# Allegro board T736_DEMO_CORE_AXP8191_LP4_4X_32X1_V0_5-draft.brd (continued)
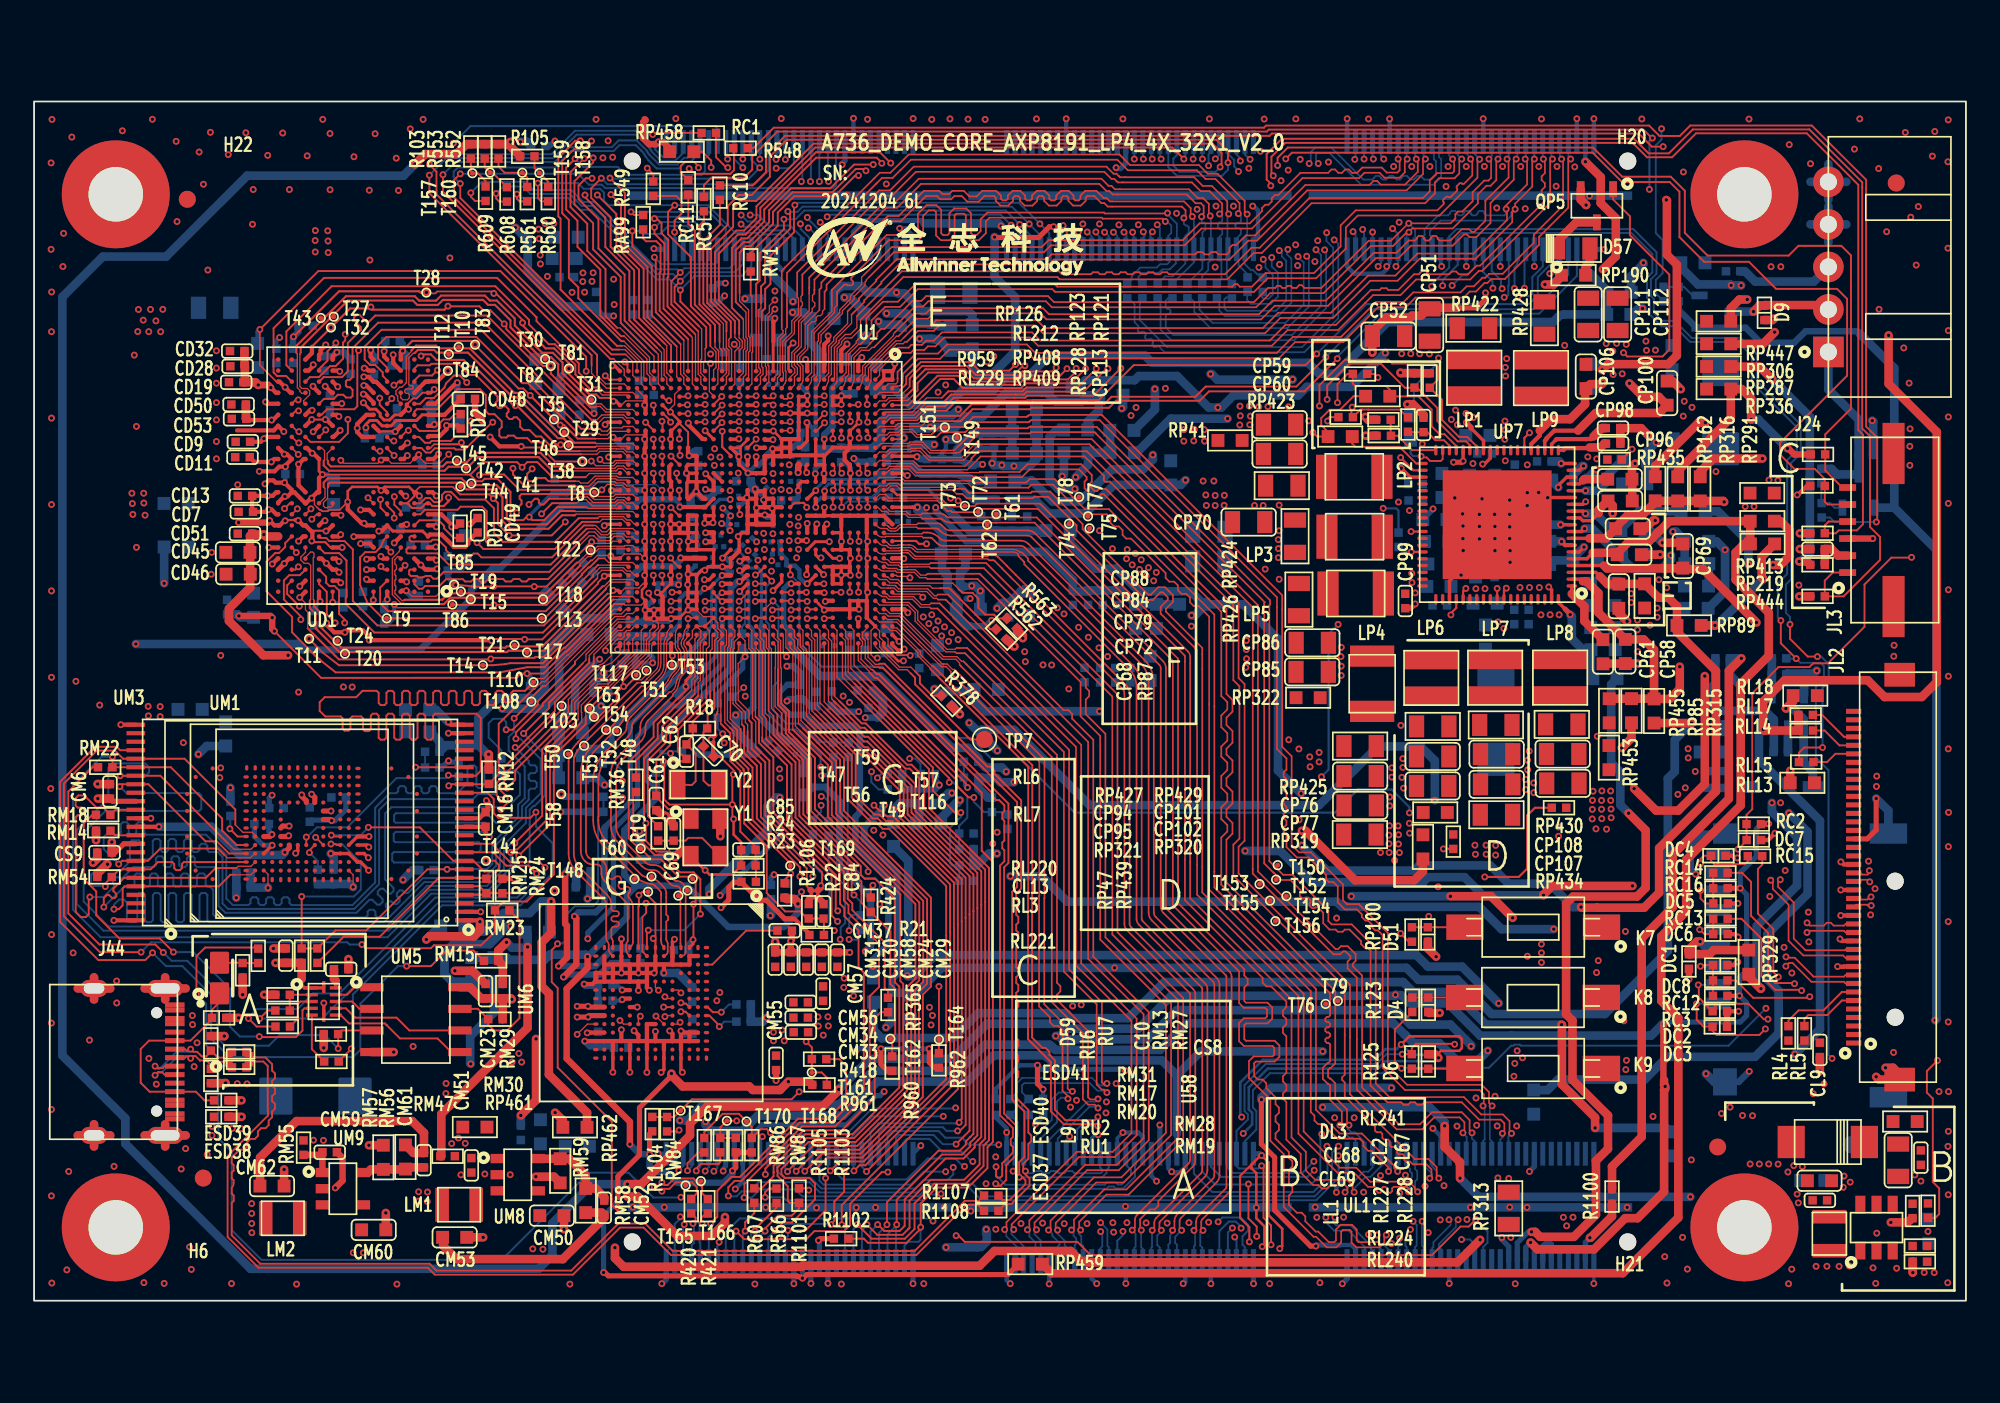
[diagram p0: board, top side]
## Routing (per net, layer and track width the routed paths; a pad name or vN(x,y) marks a point on that pad's centre or on a via; arc(x,y) is an arc through that point) (continued)
CPUS-TMS: length 31.2
  TOP w0.114: v1(42.37,40.1) 42.42,40.15 U1.T30 ; 45.69,13.42 T161.1 ; 45.69,13.42 45.7,13.42 R418.1 45.7,14.9 v1(45.36,15.23) ; 45.69,13.42 46.27,13.42 46.57,13.12 R961.1
  L4 w0.114: v1(42.37,40.1) 42.37,37.03 42.94,36.47 42.94,32.75 44.2,31.48 44.2,27.12 42.88,25.79 42.88,17.71 v1(45.36,15.23)
CPUS-TX: length 44.5
  TOP w0.114: U1.T27 42.4,41.65 v1(42.37,41.62) ; 38.28,6.96 37.71,6.96 37.32,6.57 37.02,6.57 v1(36.89,6.44) ; 38.28,6.96 38.65,6.96 38.94,6.67 38.94,6.31 R420.1 ; 38.28,6.96 T165.1
  L4 w0.076: v1(42.37,41.62) 42.08,41.62 42,41.55 42,39.39 41.44,38.83 41.44,37.47 41.97,36.94 42.04,36.94
  L4 w0.114: 42.04,36.94 42.71,36.26 42.71,32.59 43.29,32.01 43.29,32 43.31,31.98 43.31,26.58 42.65,25.92 42.65,10.76 40.1,8.21 40.08,8.21 40.08,8.21 37.92,8.21 37.47,7.75 37.47,6.98 36.94,6.44 v1(36.89,6.44)
CPUX-RX: length 72.5
  TOP w0.114: R549.1 36.38,66.22 v1(36.03,66.58)
  L4 w0.114: v1(95.61,68.9) 94.57,68.9 94.36,69.11 56.05,69.11 56.03,69.09 52.59,69.09 52.58,69.09 38.53,69.09 36.03,66.59 v1(36.03,66.58)
  BOTTOM w0.114: R145.2 95.73,58.77 95.28,59.22 95.28,60.01 95.68,60.41 95.68,62.36 95.28,62.76 95.28,67.93 95.61,68.26 v1(95.61,68.9)
CPUX-TCK: length 3
  TOP w0.114: R552.1 27.29,66.67 27.65,66.31 T159.1 28.98,66.02 R561.1
CPUX-TDI: length 2.2
  TOP w0.114: R609.1 26.53,65.83 26.07,66.28 T157.1 25.66,66.37 R103.1
CPUX-TDO: length 2.3
  TOP w0.114: R553.1 26.48,66.64 T160.1 26.93,66.32 R608.1
CPUX-TMS: length 2.1
  TOP w0.114: R105.1 29.4,66.58 T158.1 30.21,65.78 R560.1
CPUX-TX: length 91.8
  TOP w0.114: R548.1 42.26,67.76 43.46,68.96 72.26,68.96 72.38,69.09 94.89,69.09 95.5,68.47 96.69,68.47 97.3,69.09 104.44,69.09 107.63,65.9 107.63,65.36 107.63,51.4 108.28,50.75 108.28,45.83 v1(108.24,45.78)
  BOTTOM w0.114: R140.2 105.51,46.04 105.77,45.78 v1(108.24,45.78)
D+: length 8.1
  TOP w0.112: J44.A6 8.87,14.29 8.94,14.36 9.1,14.36 v1(9.2,14.25) 9.33,14.38 9.49,14.38 9.74,14.13 9.75,14.13 9.75,14.12 10.12,14.12 10.39,13.85 ESD37.2 10.8,14.05 11.29,14.05 RU1.2 ; v1(7.11,13.26) 7.3,13.44 7.52,13.44 7.67,13.29 J44.B6
  BOTTOM w0.112: v1(9.2,14.25) 9.06,14.39 8.47,14.39 7.48,13.4 7.25,13.4 v1(7.11,13.26)
D-: length 8
  TOP w0.112: J44.A7 7.67,13.79 7.56,13.68 7.23,13.68 7.12,13.79 v1(7.11,13.79) ; J44.B7 8.87,14.79 8.96,14.7 9.12,14.7 v1(9.2,14.79) 9.35,14.63 9.58,14.63 9.85,14.36 10.12,14.36 10.39,14.63 ESD40.2 10.8,14.29 11.28,14.29 RU2.2
  BOTTOM w0.112: v1(9.2,14.79) 9.05,14.63 8.37,14.63 7.38,13.64 7.26,13.64 v1(7.11,13.79)
DC1: length 2.1
  TOP w0.203: 84.42,51.29 85.16,50.56 UP7.31
  TOP w0.305: 84.42,51.29 84.42,51.35 v1(84.15,51.63)
  BOTTOM w0.305: 84.18,51.64 84.17,51.63 v1(84.15,51.63)
  vias: v1(84.13,52.16) v1(84.56,51.92) v1(86.44,54.87) v1(86.52,55.38) v1(86.45,54.36)
DC8SET: length 3.9
  TOP w0.114: RP408.1 79.7,50.87 RP409.1 80.11,50.85 80.96,50 UP7.38
DCDC1: length 13.8
  TOP w0.508: v1(101.46,18.35) 101.43,18.35 100.74,19.04 RP329.1
  BOTTOM w0.508: v1(101.46,18.35) 101.46,18.37 101.21,18.62 101.21,22.04 103.57,24.4 103.57,27.27 102.1,28.74 v1(102.1,29.27)
  vias: v1(10.91,30.75) v1(10.96,31.32) v1(28.09,14.03) v1(28.49,14.54) v1(28.65,14.03) v1(52.61,17.25) v1(52.78,16.77) v1(58.2,38.15) v1(58.24,37.57) v1(60.12,40.73) v1(60.51,40.38) v1(61.02,17.33) v1(61.52,17.4) v1(68.68,48.19) v1(69.31,48.19) v1(80.35,55.67) v1(80.88,55.67) v1(81.41,55.67) v1(81.98,55.66) v1(96.58,29.77) v1(97.01,30.15) v1(100.53,46.69) v1(101.05,46.69) v1(102.61,29.27)
DCDC2: length 113.7
  TOP w0.508: RP47.1 81.6,25.23 81.09,24.72 77.6,24.72 74.7,27.63 v1(74.49,27.63)
  L3 w0.508: v1(54.4,29.43) 54.51,29.43 54.95,28.98 57.33,28.98 73.62,28.98 v1(74.32,28.28)
  L4 w0.508: v1(27.51,34.81) 15.45,34.81 9.85,40.4 9.85,57.24 16.14,63.53 26.52,63.53 27.61,62.43 v1(29.67,62.43) ; v1(65.73,49.72) 65.98,49.47 70.25,49.47 70.29,49.51
  BOTTOM w0.508: RP48.1 30.85,37.62 30.85,35.75 29.91,34.81 v1(27.51,34.81) ; RP456.1 58.59,48.2 58.61,48.22 59.84,46.99 61.45,46.99 63.33,48.87 65.15,48.87 65.73,49.46 v1(65.73,49.72) ; RP54.1 53.27,28.35 54.2,29.28 54.26,29.28 v1(54.4,29.43)
  vias: v1(29.64,62.99) v1(30.03,63.32) v1(30.53,63.33) v1(70.84,51.48) v1(70.85,52.59) v1(70.87,52.02) v1(71.22,38.81) v1(71.22,38.28) v1(71.23,37.74) v1(71.19,37.24) v1(71.41,52.59) v1(71.42,51.5) v1(71.46,52) v1(71.95,52.55) v1(72.49,52.56)
DCDC3:
  vias: v1(71.7,46.75) v1(72.21,46.75) v1(73.14,45.26) v1(73.1,44.74) v1(73.1,44.22) v1(73.1,43.68) v1(73.15,46.77)
DCDC5FB: length 1.5
  TOP w0.127: UP7.52 v1(80.91,44.02)
  BOTTOM w0.127: v1(80.91,44.02) 80.45,44.02 RP438.2
DCDC6FB: length 20.8
  TOP w0.127: v1(84.12,41.88) 83.96,41.71 UP7.62 ; RP439.2 v1(82.8,26.56)
  L4 w0.127: v1(82.8,26.56) 82.8,28.69 83.19,29.09 83.19,31.71 80.23,34.67 80.23,38.45 80.5,38.72 82.62,38.72 84.12,40.22 v1(84.12,41.88)
DCDC8:
  vias: v1(5.75,47.47) v1(5.78,46.86) v1(5.8,46.23) v1(6.13,58.27) v1(6.09,56.97) v1(6.41,57.65) v1(6.44,47.47) v1(6.45,46.89) v1(6.52,46.18) v1(6.74,56.97) v1(6.7,34.94) v1(6.71,34.38) v1(6.84,58.28) v1(7.16,57.61) v1(7.44,56.97) v1(7.41,34.93) v1(7.41,34.34) v1(7.56,58.28) v1(91.55,28.89) v1(91.54,28.32) v1(91.59,29.95) v1(91.56,29.42) v1(91.76,27.74) v1(92.11,29.97) v1(92.09,29.41) v1(92.09,28.89) v1(92.1,28.34) v1(92.38,27.73) v1(92.62,29.97) v1(92.63,29.41) v1(92.65,28.9) v1(92.66,28.39)
DCDC8FB: length 27.6
  TOP w0.127: v1(85.23,24.91) 87.23,24.91 87.72,25.4 87.72,28.52 88.18,28.98 RP434.2 ; UP7.68 86.36,41.75 v1(86.49,41.89)
  L4 w0.127: v1(86.49,41.89) 86.51,41.87 86.51,41.69 83.96,39.14 83.96,32.68 84.58,32.06 84.58,28.38 84.12,27.91 84.12,25.21 84.41,24.91 v1(85.23,24.91)
DCDC9:
  vias: v1(94.7,56.41) v1(94.73,55.87) v1(95.26,55.88)
DCDC9FB: length 8.4
  TOP w0.127: v1(93.88,50.06) 93.88,50.05 RP435.2 ; UP7.25 87.56,50.72 v1(87.86,51.02)
  L4 w0.127: v1(93.88,50.06) 92.92,51.02 v1(87.86,51.02)
DCIN:
  vias: v1(24.21,12.77) v1(24.2,12.18) v1(86.99,13.95) v1(87.13,14.69) v1(87.45,14.28) v1(88.53,40.32) v1(89.07,40.33) v1(89.6,40.32) v1(89.55,27.85) v1(89.57,27.3) v1(103.04,7.57) v1(103.38,7.94) v1(103.89,7.88)
DCIN-12V: length 37.4
  TOP w0.508: v1(100.31,37.77) 99.57,37.03 99.57,29.51 96.28,26.22 96.28,23.14 94.45,21.31 94.45,9.63 92.71,7.89 R1100.2
  BOTTOM w0.508: v1(100.31,37.77) RL8.1 CL10.2 99.63,36.78 100.26,36.16 QL1.2
DCXO-XIN: length 12.8
  TOP w0.076: 39.22,35.65 39.22,36.17 39.31,36.26 39.31,38.53 U1.AC33
  TOP w0.114: Y1.1 38,28.91 37.26,28.91 36.56,29.61 C61.1 36.56,31.86 37.37,32.67 37.37,33.42 39.22,35.27 39.22,35.47 39.22,35.65
DCXO-XOUT: length 12.9
  TOP w0.076: 39.01,35.56 39.01,35.59 39.02,35.6 39.02,36.33 39.14,36.46 39.14,38.73 39.42,39.01 U1.AC32
  TOP w0.114: R19.1 36.06,28.5 36.06,31.76 37.14,32.84 37.14,33.68 39.01,35.55 39.01,35.56
DDR-PARA-SEL-ADC1: length 16
  TOP w0.076: U1.G31 47.67,39.4 47.67,39.04 47.83,38.89 47.83,36.98 48.22,36.59
  TOP w0.114: v1(55.21,29.58) 55.2,29.59 54.9,29.59 54.24,30.26 54.24,30.57 48.22,36.59
  BOTTOM w0.114: R1.1 57.04,28.73 R6.2 55.81,28.73 55.21,29.33 v1(55.21,29.58)
DDR-PARA-SEL-ADC2: length 16
  TOP w0.076: 48.2,36.28 47.67,36.81 47.67,38.8 47.42,39.05 U1.G32
  TOP w0.114: 48.2,36.28 53.77,30.71 v1(53.77,30.47)
  BOTTOM w0.114: v1(53.77,30.47) 54.01,30.47 54.83,29.65 54.83,28.39 54.35,27.92 R2.2 R7.1
DLDO1: length 1.4
  TOP w0.254: UP7.7 89.95,44.42 v1(89.74,44.63)
  BOTTOM w0.508: CP78.1 89.72,44.65 v1(89.74,44.63)
DLDO2: length 118.7
  TOP w0.203: UP7.8 91.38,44.82
  TOP w0.508: v1(86.87,22.51) 85.6,23.78 v1(83.21,23.78) ; v1(99.3,46.96) 99.24,47.02 RP291.1 RP316.1 96.56,47.02 RP162.1 95.24,46.94 94.49,46.19 93.64,46.19 92.92,45.47 CP79.1 92.35,44.82 91.38,44.82
  L3 w0.508: v1(99.3,46.96) 99.57,47.23 99.57,56 v1(94.55,61.02)
  L4 w0.508: v1(61.15,47.73) 61.17,47.7 63.27,47.7 68,42.97 v1(68,40.29) ; v1(86.87,22.51) 87.54,22.51 88.21,23.18 88.47,23.18 88.52,23.23 89.07,23.23 94.56,28.73 94.56,30.8 95.21,31.45 95.21,38.19 97.53,40.51 97.53,43.71 99.3,45.48 v1(99.3,46.96) ; v1(77.39,23.78) 75.39,25.77 75.39,28.86 v1(74.44,29.82)
  BOTTOM w0.508: RP75.1 93.82,60.22 94.55,60.95 v1(94.55,61.02) ; RP114.1 60.07,51.19 59.67,50.79 59.67,48.23 60.17,47.73 v1(61.15,47.73) ; v1(83.21,23.78) v1(77.39,23.78) ; RP69.1 67.95,41.7 64.91,41.7 63.57,43.03 62.38,43.03 60.87,44.55 RP451.1 ; RP69.1 71.04,40.94 73.08,38.9 73.08,31.17 v1(74.44,29.82) ; RP69.1 68.72,40.8 68.21,40.29 v1(68,40.29)
DLDO3: length 153.1
  TOP w0.203: v1(91.09,45.39) 90.92,45.22 UP7.9
  L3 w0.508: v1(69.55,52.51) 65.84,56.22 57.46,56.22 56.84,56.84 54.63,56.84 52.21,59.27 v1(50.66,59.27) ; v1(96.89,52) 95.97,52.92 95.97,56.87 94.51,58.34 v1(94.5,58.34) 94.44,58.27 86.14,58.27 86.13,58.28 80.94,58.28 79.38,56.72 v1(79.38,55.72)
  L4 w0.508: v1(96.89,52) 97.38,51.51 97.38,49.86 ; 97.38,49.86 98.72,49.86 101.89,46.69 101.89,44.66 102.9,43.65 102.9,41.48 101.96,40.54 101.96,37.93 100.11,36.07 100.11,29.56 101.01,28.66 v1(103.1,28.66) ; 97.38,49.86 97.38,45.03 v1(96.17,43.82)
  BOTTOM w0.508: v1(79.38,55.72) 79.18,55.52 79.18,55.51 78.85,55.19 78.85,55.19 77.39,53.72 74.78,53.72 74.28,53.22 70.47,53.22 69.76,52.51 v1(69.55,52.51) 69.01,52.51 67.16,54.36 64.91,54.36 64.66,54.12 61.78,54.12 61.38,53.72 RP343.1 ; v1(96.17,43.82) 96.17,43.58 95.66,43.07 93.87,43.07 93.27,43.67 CP80.1 93.07,43.87 91.54,45.39 v1(91.09,45.39) ; RP340.1 46.99,57.76 46.99,59.24 47.35,59.6 47.37,59.6 47.42,59.65 48.59,59.65 48.97,59.27 v1(50.66,59.27) 50.69,59.27 50.74,59.22 51.14,59.22 52.19,58.18 54.9,58.18 55.12,57.95 RP344.1 ; v1(103.1,28.66) 104.19,27.57 104.19,23.91 101.83,21.55 101.83,18.88 102.49,18.22 102.49,15.73 101.11,14.34 95.96,14.34 94.62,13 89.54,13 88.92,12.38 RP460.1 ; v1(94.5,58.34) 94.27,58.34 93.92,57.98 RP341.1
DLDO4: length 1.5
  TOP w0.203: UP7.10 v1(89.68,45.62)
  BOTTOM w0.508: CP81.1 89.05,45.62 v1(89.68,45.62)
DLDO5: length 117.3
  TOP w0.203: 91.92,46.3 91.48,45.86 90.99,45.86 90.83,46.02 UP7.11
  TOP w0.508: 91.92,46.3 91.92,46.51 92.43,47.01 CP84.1 92.74,46.75 v1(92.74,46.28)
  L3 w0.508: v1(92.74,46.28) 93.81,45.22 v1(96.29,45.22)
  L4 w0.508: v1(37.94,10.6) 37.94,10.7 36.81,11.83 27.75,11.83 v1(25.65,13.92) ; v1(85.41,14.7) 85.41,23.16 87.39,25.14 87.39,27.4 87.4,27.41 87.4,27.46 91.5,31.56 93.41,31.56 93.97,32.12 93.97,35.17 93.01,36.13 93.01,38.76 93.01,38.77 93.01,38.86 92.41,39.45 92.41,45.94 v1(92.74,46.28)
  BOTTOM w0.508: RP36.1 27.02,16.94 25.62,15.54 25.62,13.96 v1(25.65,13.92) ; v1(37.94,10.6) 38.38,10.6 39.3,11.52 47.3,11.52 49.29,13.52 54.33,13.52 55.87,15.05 59.66,15.05 59.77,14.94 59.8,14.94 59.99,14.75 66.14,14.75 67.7,16.31 79.86,16.31 80.54,15.62 80.55,15.62 81.04,15.14 82.56,15.14 83.55,14.15 84.86,14.15 v1(85.41,14.7) ; v1(96.29,45.22) 96.47,45.22 96.97,44.71 RP139.1 96.97,43.33 RP217.1
DLDO6: length 7.5
  TOP w0.203: v1(91.15,46.27) 91,46.42 UP7.12
  BOTTOM w0.508: v1(91.15,46.27) 91.74,46.27 92.76,45.25 CP87.1 93.22,45.35 94.3,46.43 95.48,46.43 95.51,46.41 RP312.1
DLDO-IN: length 0.9
  TOP w0.203: v1(91.16,46.98) 91,46.82 UP7.13
  vias: v1(101.93,48.25) v1(102.45,48.23)
DP-REXT: length 14.4
  TOP w0.114: v1(48.47,42.66) 48.46,42.67 48.46,42.7 48.42,42.73 U1.E24
  L4 w0.114: v1(48.47,42.66) 48.47,42.66 49.26,42.66 50.08,41.83 50.08,41.45 49.98,41.35 49.98,39.83 50.47,39.34 50.47,37.5 51.44,36.53 v1(51.44,31.87)
  BOTTOM w0.114: v1(51.44,31.87) 51.77,31.87 52.08,31.56 R376.2
DXLDO-OUT: length 32.4
  TOP w0.254: v1(40.42,41.62) 40.9,41.62 U1.Y27
  TOP w0.381: v1(31.75,22.6) 31.86,22.48 31.86,19.78 v1(31.11,19.03)
  BOTTOM w0.178: 40.06,37.87 40.06,41.27 40.19,41.4 40.19,41.44 40.37,41.62 v1(40.42,41.62)
  BOTTOM w0.254: C41.1 40.06,37.87
  BOTTOM w0.305: C41.1 39.28,37.29 38.45,37.29 35.03,33.87 35.03,29.38 34.98,29.33 34.98,29.3 33.58,27.9 33.58,27.86
  BOTTOM w0.381: v1(31.75,22.6) 31.98,22.83 33,22.83 33.51,23.35 33.51,27.79 33.58,27.86 ; RM37.2 33.91,19.85 33.24,19.18 32.96,19.18 32.95,19.18 31.33,19.18 31.18,19.03 v1(31.11,19.03)
ELDO1: length 139.5
  TOP w0.203: v1(89.55,47.82) 89.55,47.93 90.04,48.42 UP7.17
  L3 w0.508: v1(9.66,32.12) 11.69,32.12 13.24,30.57 13.24,29.34 13.75,28.83 16.57,28.83 17.18,29.44 18.86,29.44 20.67,27.63 20.67,24.69 23.07,22.29 25.28,22.29 29.71,17.87 33.04,17.87 33.51,17.4 33.51,15.76 34.02,15.26 40.8,15.26 42.9,17.36 48.64,17.36 49.17,17.89 59.92,17.89 60.18,18.15 61.84,18.15 63.09,16.9 81.17,16.9 81.7,16.36 82.95,16.36 87.52,20.93 87.52,28.16 87.08,28.61 87.08,30.88 87.41,31.21 v1(87.75,31.21)
  L4 w0.508: v1(87.75,31.21) 88.08,31.21 91.76,34.89 91.76,38.34 91.17,38.93 91.17,38.96 90.94,39.18 90.94,41.99 90.38,42.55 90.38,46.98 v1(89.55,47.82) ; v1(7.64,42.18) 7.64,39.68 9.66,37.67 v1(9.66,32.12)
  BOTTOM w0.508: v1(89.55,47.82) 89.29,48.08 CP90.1 ; v1(9.66,32.12) 10.14,32.61 RP445.1 ; RP448.1 v1(7.64,42.18)
ELDO2: length 1.8
  TOP w0.203: UP7.18 90.78,48.82 v1(91.03,49.07)
  BOTTOM w0.508: v1(91.03,49.07) 90.95,49.07 90.44,48.56 CP92.1
ELDO3: length 1.2
  TOP w0.203: v1(89.71,49.22) UP7.19
  BOTTOM w0.508: CP93.1 89.59,49.34 v1(89.71,49.22)
ELDO4: length 2.9
  TOP w0.203: UP7.20 89.86,50
  TOP w0.254: 89.86,50 89.98,50.13 91.36,50.13 91.4,50.16
  TOP w0.508: CP96.1 92.26,50.39 92.04,50.16 91.4,50.16
ELDO5: length 3.9
  TOP w0.203: 89.4,50.6 89.16,50.36 UP7.21
  TOP w0.254: 91.62,50.81 91.47,50.66 91.19,50.66 91.19,50.65 89.45,50.65 89.4,50.6
  TOP w0.508: 91.62,50.81 92.11,51.3 CP98.1
ELDO6: length 113.9
  TOP w0.203: 88.76,50.55 UP7.22
  TOP w0.254: 88.76,50.55 88.86,50.65 88.86,50.69 89.32,51.15 90.71,51.15
  TOP w0.508: 90.71,51.15 91.75,52.19 95.49,52.19 CP100.1 95.45,53.14 94.52,53.14 v1(93.73,53.93)
  L4 w0.381: v1(48.84,20.54) 49.87,20.54 v1(51.3,19.1)
  L4 w0.508: v1(86.05,17.49) 86.09,17.53 86.09,22.83 88.08,24.81 88.08,27.23 91.74,30.9 93.67,30.9 94.59,31.81 94.59,35.87 93.66,36.8 93.66,39.05 93.63,39.08 93.63,39.11 93.03,39.71 93.03,42.99 93.37,43.33 93.37,47.67 94.65,48.95 94.65,50.2 93.73,51.12 v1(93.73,53.93)
  BOTTOM w0.406: v1(48.84,20.54) 49.15,20.86 49.15,23.71 47.32,25.55 47.32,29.36 46.48,30.2 45.76,30.2 RP33.1
  BOTTOM w0.508: 51.36,19.08 51.7,19.08 52.93,20.32 81.21,20.32 81.89,19.64 83.89,19.64 v1(86.05,17.49) ; 51.36,19.08 51.33,19.08 v1(51.3,19.1) ; 51.36,19.08 51.36,25.85 RP35.1
ELDO-IN: length 2.2
  TOP w0.203: 91,48.23 90.79,48.02 UP7.16
  TOP w0.508: CP88.1 91.07,48.3 91,48.23
  vias: v1(91.28,49.61) v1(91.81,49.49) v1(92.77,54.45) v1(93.31,54.49)
FB-GND2: length 1656.2
  TOP w0.076: U1.AN17 34.35,46.58 32.54,46.58 32.45,46.66 32.33,46.66 ; UD1.N2 22.09,49.23 20.99,49.23 UD1.N4 ; U1.AK26 35.77,42.15 35.67,42.05 35.67,42.04 35.53,41.9 35.52,41.9 34.72,41.9 34.47,41.65 U1.AN27 ; 24.12,41.91 23.61,41.41 22.2,41.41 v1(21.87,41.74) ; U1.B33 49.92,38.75 49.67,39 49.67,39.38 49.42,39.63 U1.C31 49.17,39.4 49.17,37.98 49.37,37.78 v1(49.54,37.78) ; v1(52.22,41.36) 52.03,41.54 50.53,41.54 U1.A27 ; v1(32.76,44.61) 32.76,44.61 32.85,44.52 33.88,44.52 34,44.65 U1.AN21 ; 39.5,35.88 39.5,38.31 39.67,38.48 39.67,39.4 U1.AC31 ; U1.W31 U1.W32 ; U1.W32 41.77,38.8 v1(41.77,37.86) 41.37,37.45 41.37,35.3 42,34.67 42,34.13 ; U1.W32 41.42,39.01 41.13,38.72 41.13,38.36 41.06,38.29 41.06,35.1 41.59,34.58 41.59,33.88 ; v1(18.74,24.32) 18.74,25.04 UM1.Y2 ; v1(51.46,42.5) 51.38,42.58 50.71,42.58 50.65,42.65 U1.A25 ; v1(34.02,41.76) 33.83,41.57 33.71,41.57 ; v1(44.21,37.86) 44.02,38.05 44.02,39.06 U1.P32 ; v1(39.74,55.1) 39.67,55.04 39.67,53.45 39.92,53.2 U1.AB4 ; v1(35.87,50.65) 35.87,50.81 35.78,50.9 34.76,50.9 34.51,50.65 U1.AN9 ; v1(34.02,50.76) 33.8,50.76 33.72,50.68 32.97,50.68 ; U1.AM33 34.92,38.09 33.85,37.01 33.64,37.01 33.6,36.97 33.56,36.97 33.5,36.9 v1(33.45,36.9) ; 40.14,34.61 40.17,34.64 40.17,36.28 40.17,36.28 40.17,38.76 40.42,39.01 U1.AA32 40.42,39.27 40.17,39.52 40.17,39.85 39.92,40.1 U1.AB30 39.85,40.22 39.32,40.22 38.92,40.61 U1.AD29 ; 16.64,46.63 16.47,46.8 16.47,47.03 v1(16.31,47.18) ; 35.76,37.6 35.77,37.6 36.13,37.96 36.13,38.57 36.14,38.58 36.14,38.75 36.42,39.03 U1.AJ32 36.42,39.3 36.67,39.55 36.67,39.85 v1(36.42,40.1) ; v1(33.88,43.78) 33.85,43.82 33.08,43.82 32.79,43.53 32.72,43.53 ; v1(22.6,49.74) 22.6,49.62 22.99,49.23 23.83,49.23 v1(24.36,49.76) ; U1.AF3 37.92,53.58 37.63,53.29 37.63,52.69 37.38,52.44 v1(37.38,52.24) ; U1.AN32 34.28,39.15 33.56,38.42 33.56,38.23 v1(33.57,38.22) ; v1(15.61,41.34) 15.94,41.01 15.94,40.63 16.08,40.49 16.08,39.53 ; 32.41,48.42 32.62,48.63 34.41,48.63 U1.AN13 ; T86.1 24.39,40.74 21.35,40.74 21.17,40.93 v1(21.17,40.93) ; U1.AN23 34.43,43.65 34.68,43.9 35.62,43.9 v1(35.87,43.65) ; 34.66,40.96 34.72,40.9 35.67,40.9 U1.AK28 ; 38.82,35.68 38.82,36.43 38.99,36.6 38.99,38.81 39.17,38.99 39.17,39.4 U1.AD31 38.67,39.4 38.67,38.99 38.42,38.74 U1.AE33 ; T51.1 35.98,36.8 35.68,36.5 35.18,36.5 35.17,36.5 ; U1.AL3 35.42,53.58 35.86,53.15 U1.AK4 ; U1.AN5 34.51,52.65 34.76,52.9 35.79,52.9 35.87,52.82 v1(35.87,52.65) ; v1(18.02,49.4) 18.2,49.23 20.2,49.23 v1(20.39,49.42)
  TOP w0.102: 37.22,29.27 37.21,29.28 37.21,29.28 37.11,29.37 37.11,29.38 37.02,29.47 ; UD1.P1 23.28,50.13 23.5,50.35 23.94,50.35 ; 24.75,47.69 24.6,47.85 22.66,47.85 UD1.K2 ; v1(27.01,59.22) 26.9,59.33 23.69,59.33 23.58,59.22 23.09,59.22 T28.1 ; v1(13.27,57.1) 13.27,55 14.24,54.03 UD1.Y12 ; v1(16.94,48.57) 25.46,48.57 ; v1(18.43,46.96) 17.96,46.5 17.35,46.5 17.27,46.42 16.93,46.42 16.85,46.49 16.78,46.49 16.64,46.63
  TOP w0.114: 40.14,34.61 40.14,34.52 40.03,34.41 40.03,33.26 ; v1(41.03,29.17) 41.03,30.88 v1(41.09,30.94) 41.13,30.99 41.13,31.15 40.29,32 C70.2 ; v1(41.03,29.17) 37.32,29.17 37.22,29.27 ; v1(41.03,29.17) 41.03,28.39 v1(41.1,28.32) ; v1(25.91,56.2) 25.91,56.18 28.46,53.63 28.74,53.63 v1(29.15,53.22) ; 39.5,35.88 39.5,35.22 37.82,33.55 37.82,32.28 C62.2 38.07,31.71 v1(36.97,31.71) 37.02,31.66 37.02,29.47 ; 32.97,50.68 31.94,50.68 31.14,51.48 v1(30.91,51.48) ; v1(38.72,21.22) 38.74,21.25 v1(38.74,23.32) 38.74,23.37 38.87,23.5 38.87,24.63 T57.1 38.56,24.93 37.85,24.93 36.84,25.95 36.28,25.95 T60.1 35.54,26.58 34.93,27.19 34.93,29.42 34.93,29.42 34.93,31.68 36.4,33.14 36.4,34 38.3,35.89 v1(38.3,36.1) ; v1(33.5,42.6) 33.13,42.22 33.13,42.15 29.86,38.88 v1(28.82,38.88) 28.8,38.9 26.97,38.9 v1(26.88,38.81) ; 32.72,43.53 30.1,40.9 v1(27.02,40.9) 24.6,40.9 T86.1 ; v1(32.9,52.15) 32.71,52.15 30.36,54.5 v1(30.36,54.95) 29.91,54.95 29.51,55.35 29.51,55.36 27.74,57.12 27.74,57.3 v1(27.62,57.42) 26.81,58.24 26.39,58.24 26.16,58.46 24.48,58.46 24.47,58.47 v1(24.31,58.47) ; 32.33,46.66 30.74,46.66 29.98,45.89 29.26,45.89 v1(29.09,46.07) 29.06,46.09 28.95,46.09 28.75,45.89 28.14,45.89 27.99,46.04 27.99,47.55 27.22,48.32 26.47,48.32 26.32,48.17 26,48.17 25.63,48.55 25.62,48.55 ; 32.41,48.42 30.45,48.42 29.56,49.3 28.98,49.3 v1(28.68,49) 28.37,49.3 26.37,49.3 25.62,48.55 ; v1(36.38,21.3) 36.51,21.43 36.51,23.37 36.07,23.8 T56.1 35.74,24.04 v1(35.54,23.84) 35.54,23.21 35.51,23.18 UM6.J1 ; 42,34.13 42.16,33.97 42.16,32.45 42.96,31.65 42.96,28.52 46.3,25.19 46.3,24.47 v1(46.22,24.4) ; U1.AE10 38.42,51.06 37.92,51.56 U1.AF7 ; v1(14.12,39.37) 16.87,36.62 19.8,36.62 28.33,36.62 28.58,36.87 v1(28.96,36.87) 29.94,36.87 31.23,38.16 31.29,38.16 34.09,40.96 34.66,40.96 ; U1.AM1 34.86,54.71 34.86,55.04 34.83,55.07 ; v1(32.44,54.64) 32.44,55.49 27.4,60.53 16.7,60.53 v1(13.27,57.1) ; 38.82,35.68 36.89,33.74 36.89,32.93 35.84,31.88 35.84,28.3 35.87,28.26 35.87,28.15 v1(35.95,28.07) 35.95,27.03 36.56,26.41 37.34,26.41 v1(37.66,26.08) ; v1(31.21,45.78) 30.42,44.99 v1(27.91,44.99) 27.25,45.65 27.25,46.89 v1(26.98,47.16) 26.74,47.41 25.04,47.41 24.75,47.69 ; T54.1 32.64,34.58 T63.1 32.64,34.83 33.5,35.69 34.17,35.69 34.23,35.75 ; 25.62,48.55 25.6,48.57 25.46,48.57 ; 33.64,34.8 34.23,35.39 34.23,35.75 ; 17.71,37.9 17.91,37.7 26.81,37.7 v1(26.83,37.73) 26.9,37.79 29.4,37.79 29.45,37.85 29.95,37.85 30.95,38.85 30.97,38.85 33.69,41.57 33.71,41.57 ; 34.65,36.13 34.59,36.18 34.59,36.44 35.76,37.6 ; 34.65,36.13 34.65,36.12 v1(34.63,36.11) 34.6,36.07 34.55,36.07 34.23,35.75 ; 34.65,36.13 34.8,36.13 35.17,36.5 ; v1(27.01,59.22) 27.06,59.22 27.07,59.22 27.14,59.22 28.7,57.65 v1(28.7,57.49) ; 24.12,41.91 24.21,42.01 T85.1 25.68,42.01 25.71,41.98 26.99,41.98 v1(27,42) 29.37,42 v1(29.39,41.98) 30.11,41.98 32.47,44.35 32.47,44.37 32.71,44.62 32.73,44.62 32.74,44.61 32.76,44.61 v1(32.76,44.61) ; U1.AN2 33.79,54.15 v1(33.56,54.37) ; v1(51.11,50.71) 51.11,50.71 51.06,50.71 51,50.65 U1.A9 ; 45.62,24.15 45.4,24.37 45.4,25.42 42.46,28.35 42.46,31.45 41.72,32.2 41.72,33.75 41.59,33.88 ; v1(28.62,50.23) 28.69,50.16 29.79,50.16 30.61,49.34 v1(32.21,49.34) ; v1(34.04,52.88) 33.84,53.07 33.23,53.07 33.02,53.28 32.63,53.28 ; v1(37.5,37.91) 37.47,37.88 T53.1 ; U1.AB30 U1.AC31 U1.AD31
  TOP w0.127: 19.79,58.33 18.57,58.33 v1(17.44,57.21) 16.32,56.09 16.32,56.07 ; 19.79,58.33 19.86,58.26 24.11,58.26 24.31,58.46 v1(24.31,58.47) ; 19.79,58.33 v1(19.79,58.42) ; v1(28.7,57.49) 28.7,57.34 30.06,55.99 30.56,55.99 31.43,55.12 v1(31.43,54.8) 31.43,54.48 32.63,53.28 ; v1(71.4,3.46) 71.4,4.33 70.85,4.87 70.85,7.34 71.52,8 ; v1(17.11,51.8) v1(16.31,51.8) ; 21.92,46.88 22.34,47.3 UD1.K2 ; 21.92,46.88 21.93,46.88 22.2,46.61 22.76,46.61 23.03,46.88 UD1.J1 23.24,46.88 23.4,46.72 24.07,46.72 24.35,47 v1(24.35,47.22) ; 21.92,46.88 UD1.J3 ; v1(30.91,51.48) 30.89,51.48 T35.1 v1(29.15,53.22) ; v1(16.32,44.66) 16.38,44.6 17.11,44.6 17.42,44.28 UD1.E8 ; v1(36.38,21.3) 36.51,21.17 UM6.G1 UM6.G2 ; v1(52.43,44.49) 51.99,44.49 51.82,44.67 50.44,44.67 U1.A21 ; T28.1 23.04,59.28 22.69,59.28 22.63,59.34 17.92,59.34 15.56,56.98 15.56,56.98 v1(15.24,56.67) ; v1(17.15,45.25) 17.14,45.27 16.26,45.27 ; 17.71,37.9 16.08,39.53 ; v1(22.74,55.54) 22.78,55.54 22.87,55.63 23.31,55.63 23.64,55.31 25.24,55.31 25.61,54.93 25.87,54.93 28.19,52.62 v1(28.27,52.62) 28.38,52.62 30.67,50.32 v1(30.94,50.32) ; v1(40.42,41.11) 40.4,41.11 39.92,41.59 U1.AB27 ; 20.27,51.1 21.21,51.1 v1(21.22,51.09) ; T54.1 32.94,34.28 33.12,34.28 33.64,34.8 ; 15.35,45.9 14.75,45.9 ; v1(25.91,56.2) 25.69,56.42 22.22,56.42 21.63,55.84 ; 23.94,50.35 25.01,50.35 v1(25.11,50.45)
  TOP w0.152: U1.V9 41.92,50.62 41.51,50.2 41.51,50.15 ; U1.AG26 37.4,42.15 36.9,41.65 36.67,41.65 ; v1(43.43,51.13) 43.44,51.13 U1.P9 ; v1(41.95,48.66) 41.45,49.15 U1.W12 ; 41.51,50.15 41.51,49.72 v1(41.41,49.62) ; 41.51,50.15 U1.Y10 ; 46.47,40.65 46.42,40.65 46.34,40.73 46.33,40.73 46.1,40.95 46.1,40.97 U1.K28 ; U1.B33 49.92,38.45 50.77,37.6 51.05,37.6 51.07,37.62 v1(51.08,37.62) ; U1.F8 47.96,51.15 48.29,51.47 48.29,51.47 v1(48.47,51.65) ; 16.74,48.77 v1(16.94,48.57) ; U1.AF30 38.38,40.61 v1(38.42,40.61) ; v1(80.32,15.07) 80.8,15.54 83.73,15.54 83.88,15.39 83.88,14.85 83.73,14.69 82.66,14.69 82.51,14.54 v1(82.51,14.28) ; v1(18.43,46.96) 18.43,47.59 18.69,47.85 20.18,47.85 v1(20.39,47.64) 20.6,47.85 22.03,47.85 UD1.K2 ; U1.N1 44.33,54.75 44.33,56.03 v1(44.59,56.3) ; U1.AK26 35.92,41.99 35.72,41.79 35.72,41.36 U1.AK28 ; v1(53.85,47.18) 53.83,47.19 53.83,47.22 53.68,47.37 50.7,47.37 U1.A15 ; v1(72.16,3.18) 72.28,3.3 72.28,4.38 71.81,4.85 v1(71.81,5.47) 71.81,7.5 71.52,7.79 71.52,8 72.06,8.54 v1(72.12,8.54) 72.53,8.13 72.53,5.03 73.33,4.23 73.33,3.21 v1(73.19,3.06) ; v1(41.1,28.32) 41.1,27.41 41.54,26.96 C85.2 41.54,25.58 R24.2 41.02,25.06 39.68,25.06 v1(39.43,25.31) 39.4,25.31 Y1.2 ; U1.AG8 37.45,51.15 37.8,51.5 37.8,51.53 U1.AF7 37.92,51.7 v1(37.38,52.24) 37.33,52.24 U1.AH5
  TOP w0.178: UD1.N9 16.74,48.77 ; v1(38.72,21.22) 38.72,20.97 UM6.C1 ; U1.AE33 38.58,38.49 38.58,36.75 38.3,36.46 v1(38.3,36.1) ; v1(48.97,41.65) 48.92,41.6 U1.D28 ; U1.C31 U1.D30 ; U1.AE22 38.42,44.63 v1(38.44,44.64) ; 43.44,56.4 43.42,56.39 U1.R1
  TOP w0.203: U1.AD14 U1.AE14 ; U1.AD14 U1.AC14 ; U1.AD14 U1.AD13 ; U1.AE14 38.42,48.55 v1(38.32,48.65) ; U1.AE14 38.35,48.08 38.35,47.22 U1.AE16 ; v1(44.89,47.63) 44.89,47.95 45.08,48.15 U1.L14 ; U1.P10 U1.P11 ; U1.P10 44.42,50.15 44.42,50.15 ; U1.P10 U1.P9 ; v1(47.42,42.65) 47.41,42.66 46.93,42.66 ; v1(47.42,42.65) U1.G24 ; v1(47.42,42.65) U1.G26 U1.H26 ; v1(47.42,42.65) 47.45,42.68 47.92,42.68 ; v1(50.57,55.09) 50.57,55 arc(50.53,54.81) U1.A1 U1.A2 ; U1.AD13 v1(38.32,48.65) ; U1.AD13 U1.AD12 ; v1(38.32,48.65) 38.32,49.05 U1.AE12 U1.AD12 ; U1.AN15 33.92,47.65 v1(33.91,47.64) ; UM6.D13 UM6.D14 38.01,13.51 v1(38.09,13.43) ; 47.42,45.52 U1.G20 U1.H20 ; v1(51.87,49.62) 51.84,49.65 U1.A11 ; U1.M5 U1.M6 ; U1.M5 U1.M4 45.37,53.15 v1(45.42,53.2) v1(45.42,52.69) 45.38,52.65 U1.M5 ; U1.M6 44.89,52.18 v1(44.42,52.18) 44.39,52.15 U1.P6 ; U1.M6 U1.M7 U1.M8 U1.M9 ; v1(19.64,26.04) 19.39,26.29 UM1.AA4 ; U1.AN7 33.69,51.65 v1(33.55,51.51) ; 38.42,41.64 38.42,42.08 v1(38.4,42.1) ; 38.42,41.64 38.42,41.12 v1(38.42,41.11) v1(38.42,40.61) 38.47,40.65 U1.AD29 U1.AD28 ; 38.42,41.64 38.92,41.64 U1.AD27 U1.AD26 U1.AD25 ; U1.Y10 41.41,49.66 v1(41.41,49.62) 41.42,49.6 U1.W12 ; U1.AD21 U1.AD20 ; U1.AD21 U1.AD22 U1.AB22 39.92,43.16 39.91,43.15 ; U1.AD21 38.44,44.65 v1(38.44,44.64) 38.44,45.14 U1.AE20 U1.AD20 ; U1.AD20 U1.AD19 ; U1.AN9 34.13,50.65 v1(34.02,50.76) ; v1(45.42,42.15) 45.43,42.15 U1.K25 ; U1.AD12 U1.AC12 ; v1(33.5,42.6) 33.55,42.65 U1.AN25 ; U1.T28 42.41,41.15 v1(42.37,41.11) ; U1.F22 U1.G22 U1.H22 ; v1(47.96,43.65) 47.92,43.61 U1.F24 ; v1(33.76,49.6) 33.81,49.65 U1.AN11 ; U1.Y23 U1.Y24 40.44,43.15 v1(40.44,43.15) 39.91,43.15 ; v1(35.01,13.43) UM6.K14 UM6.K13 ; U1.A32 50.78,38.79 50.79,38.79 v1(50.82,38.76) ; U1.AN5 34.19,52.88 v1(34.04,52.88) ; U1.D28 U1.E28 U1.F28 U1.F29 U1.F30 ; UP7.41 80.85,48.42 v1(80.32,48.94) ; U1.AN23 34.02,43.65 v1(33.88,43.78) ; U1.AN27 34.31,41.76 v1(34.02,41.76) ; U1.A13 51.03,48.65 51.16,48.52 v1(51.31,48.52) ; v1(15.37,26.31) 15.49,26.43 UM1.P5 ; U1.AN19 33.59,45.65 v1(33.5,45.56) ; v1(36.01,13.43) UM6.H14 UM6.H13 ; UM6.F13 UM6.F14 37.01,13.59 v1(36.84,13.42) ; v1(51.12,38.31) 51.07,38.25 50.73,38.25 50.42,38.56 U1.A33 ; UP7.14 88.94,47.22 v1(88.93,47.21) ; U1.AD25 38.88,42.69 38.6,42.69 38.59,42.71 v1(38.42,42.71) ; U1.AD25 39.22,42.94 v1(39.41,42.94) 39.61,43.15 39.91,43.15 ; 38.41,45.65 U1.AD19 ; U1.AD19 U1.AD18 ; v1(83.84,42.66) 83.5,42.66 83.16,42.31 UP7.60 ; v1(42.42,52.69) 42.42,52.69 42.38,52.65 U1.V5 ; U1.D10 U1.E10 U1.F10 U1.G10 U1.H10 46.42,49.65 U1.J12 U1.K12 U1.K9 ; v1(37.62,21.25) 37.62,21.22 37.51,21.1 UM6.E1 ; v1(33.96,54.96) 34.11,54.96 U1.AN1 ; U1.T8 42.94,51.13 v1(43.43,51.13) ; U1.K6 45.46,52.15 v1(45.42,52.18) ; U1.F14 47.96,48.18 v1(47.96,48.65) ; 34.83,55.07 v1(34.71,55.19) ; v1(48.47,51.65) 48.42,51.69 U1.E6 ; U1.W22 41.42,44.87 v1(41.37,44.93) 41.58,45.15 U1.V20 ; U1.D20 48.92,44.69 v1(48.97,44.64) 48.92,44.59 U1.D22 48.92,43.71 v1(48.98,43.65) 48.92,43.59 U1.D24 U1.D26 ; v1(34.51,21.27) UM6.L1 UM6.L2 ; v1(34.01,13.44) UM6.M14 UM6.M13 ; U1.AK26 35.92,42.6 v1(35.87,42.65) ; UM1.K4 13.5,26.29 v1(13.99,26.78) ; U1.F4 47.47,53.15 v1(47.42,53.2) v1(47.42,52.69) 47.38,52.65 U1.H5 U1.H4 ; U1.B2 U1.B1 49.93,54.65 ; U1.J24 U1.H24 ; U58.6 v1(17.02,17.5) ; UM1.AA6 18.99,27.29 UM1.Y5 ; U1.H18 U1.J18 ; U1.A17 51.62,46.65 51.62,46.65 v1(51.9,46.65)